# Allegro board RK3588S_Template_LP4XD200P232SD10H2_30X30_2133MHz_H1R0_V11_20220218YWQ.brd (continued)
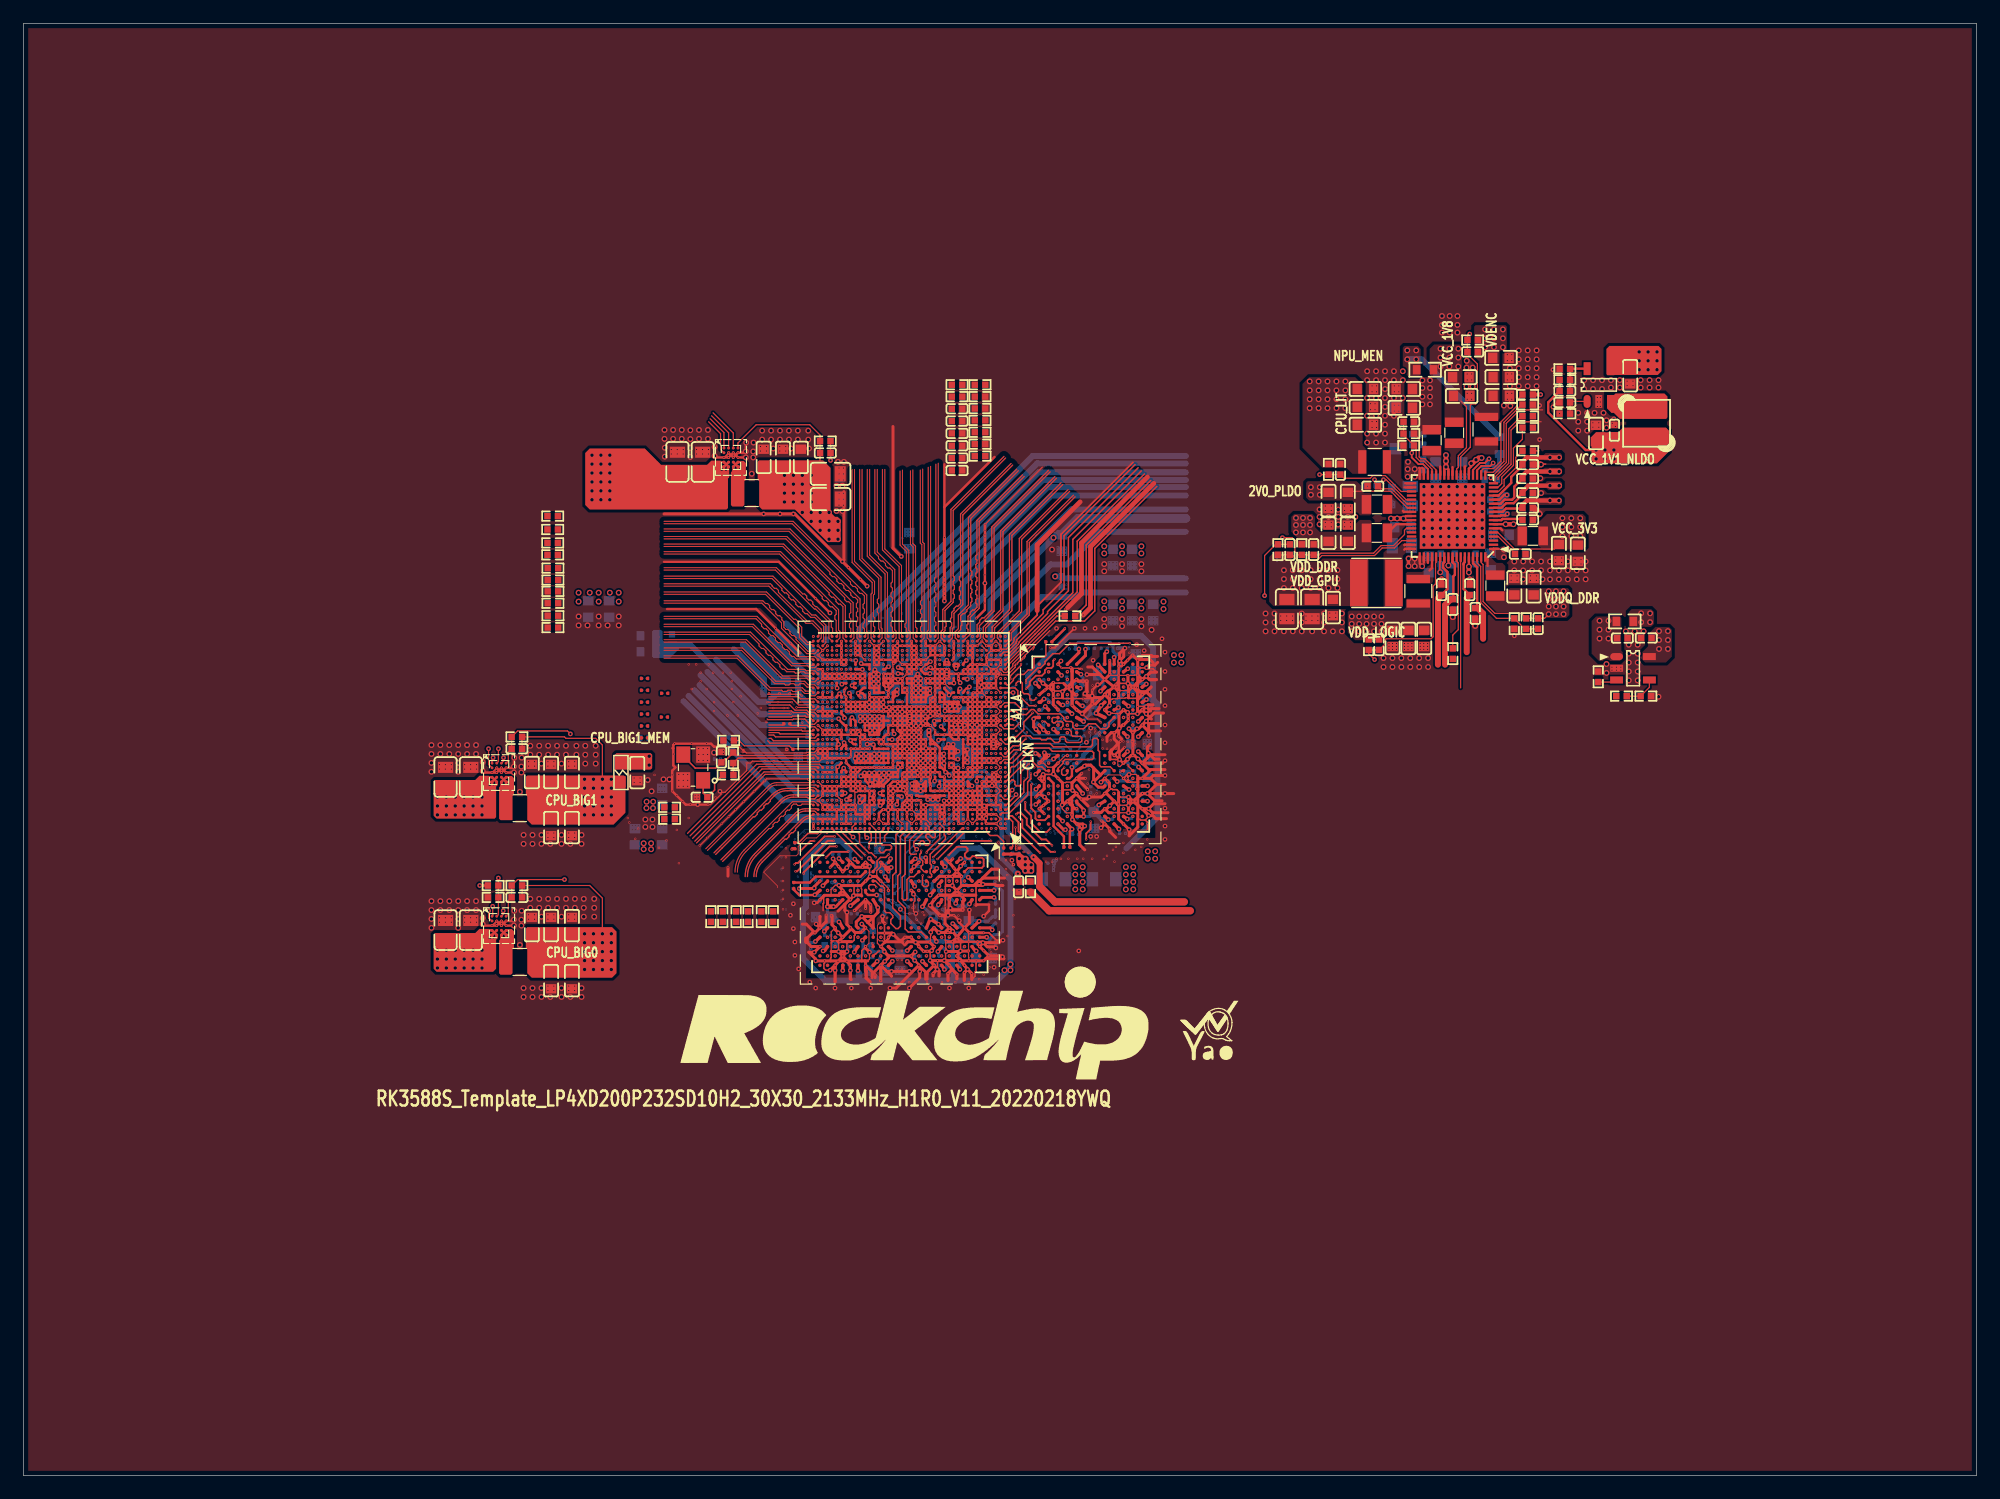
[diagram p0: board, top side]
## Routing (per net, layer and track width the routed paths; a pad name or vN(x,y) marks a point on that pad's centre or on a via; arc(x,y) is an arc through that point) (continued)
  TOP w0.203: v7(92.39,68.02) 91.95,67.58 v1(91.78,67.58) v2(91.32,67.12) v1(91.32,66.61) ; v7(78.69,80.14) 78.69,82.75 ; 78.69,82.75 78.69,86.41 ; 78.69,82.75 82.97,87.04 ; v7(75.09,61.7) v7(75.09,62.1) ; v7(75.09,61.7) v7(75.09,61.3) ; v7(75.09,61.7) v7(74.69,61.7) ; v7(75.09,61.7) v7(75.49,61.7) v7(75.89,61.7) ; v7(75.09,62.1) 75.47,62.1 v1(75.49,62.08) ; v7(75.09,62.1) v7(75.09,62.5) ; v7(75.09,62.1) v7(74.69,62.1) ; v2(76.29,60.9) 76.29,60.46 v1(76.3,60.45) ; v2(76.29,60.9) 76.62,60.9 v1(76.66,60.86) ; v2(76.29,60.9) v2(76.29,61.3) ; v2(76.29,60.9) v7(75.89,60.9) ; v5(61.75,88.27) 61.72,88.24 v5(61.72,87.5) 61.61,87.4 v2(61.05,87.4) U2302.B4 v2(60.65,87) U2302.B2 v2(60.25,87.4) ; v7(74.69,64.5) v2(74.69,64.9) ; v7(74.69,64.5) v7(75.09,64.5) ; v7(74.69,64.5) v7(74.29,64.5) ; v7(74.69,64.5) v7(74.69,64.1) ; v2(74.69,64.9) v2(74.29,64.9) ; v2(74.69,64.9) 74.69,65.26 v1(74.68,65.28) ; v2(74.69,64.9) v7(75.09,64.9) ; v1(74.27,65.3) 74.27,64.92 v2(74.29,64.9) ; v1(74.27,65.3) 74.27,65.3 v7(73.89,65.3) ; v1(74.27,65.3) 74.29,65.33 v2(74.29,65.7) ; v1(74.27,65.3) 74.65,65.3 v1(74.68,65.28) ; v2(75.89,68.9) v2(76.29,68.9) v2(76.29,69.3) ; v2(75.89,68.9) v2(75.89,69.3) ; v2(75.89,68.9) v2(75.89,68.5) v2(75.49,68.5) v7(75.49,69.3) ; v2(75.89,68.9) v2(75.49,68.9) ; v2(81.49,65.3) v2(81.49,64.9) ; v2(81.49,65.3) v2(81.49,65.7) ; v2(81.49,65.3) v2(81.89,65.3) ; v2(81.49,65.3) v2(81.09,65.3) ; v2(81.49,64.9) v7(81.89,64.9) ; v2(81.49,64.9) v2(80.69,64.9) ; v2(81.49,64.9) 81.49,64.18 ; v7(81.09,66.1) 80.74,66.1 v7(80.69,66.15) ; v7(81.09,66.1) v2(81.09,65.7) ; v7(81.09,66.1) v2(81.09,66.5) ; v7(81.09,66.1) U1000.AH7 ; v1(75.08,65.25) 75.08,64.91 v7(75.09,64.9) ; v1(75.08,65.25) 75.09,65.26 v2(75.09,65.7) ; v1(75.08,65.25) 75.49,65.25 ; v1(75.08,65.25) 75.06,65.28 v1(74.68,65.28) ; v7(68.69,58.9) v7(68.29,58.9) v7(68.29,58.5) ; v7(68.69,58.9) v7(68.69,58.5) ; v7(68.69,58.9) v7(69.09,58.9) ; v1(72.38,57.88) 72.55,57.7 v2(72.69,57.7) ; v1(72.38,57.88) 72.29,57.96 v2(72.29,58.5) ; v1(72.38,57.88) 72.6,58.1 v2(72.69,58.1) ; v1(72.38,57.88) 72.29,57.79 72.29,57.3 ; v2(74.69,61.3) v7(74.69,61.7) ; v2(74.69,61.3) v7(75.09,61.3) ; v2(74.69,61.3) v2(74.29,61.3) ; v7(74.69,61.7) v2(74.29,61.7) ; v7(74.69,61.7) v7(74.69,62.1) ; v7(74.69,56.9) 74.69,56.84 ; 74.69,56.84 74.75,56.9 ; 74.69,56.84 v7(74.69,56.52) U1000.C24 ; v2(81.09,69.3) v2(81.09,69.7) v2(81.09,70.1) ; v2(81.09,69.3) v2(81.09,68.5) ; v2(81.09,69.3) v7(81.49,69.3) ; v2(81.09,69.3) 80.9,69.3 80.69,69.1 v7(80.69,68.9) ; v1(76.3,60.45) 76.3,60.15 76.35,60.1 ; v1(76.3,60.45) 76.64,60.45 v7(76.69,60.5) ; v1(76.3,60.45) v1(75.9,60.45) ; U1000.AE22 75.71,64.9 v1(75.72,64.9) 75.72,64.9 v2(76.29,64.9) ; U1000.AE22 v7(75.09,64.9) ; U1000.AE22 U1000.AD22 ; U1000.AE22 75.49,65.25 75.49,65.25 ; v7(73.49,65.3) v2(73.49,66.5) ; v7(73.49,65.3) v7(73.89,65.3) ; v7(73.49,65.3) v7(73.09,65.3) ; v2(73.49,66.5) v2(73.89,66.5) v2(73.89,66.9) 73.89,67.13 ; v2(73.49,66.5) v2(73.09,66.5) ; v2(78.69,57.3) 78.69,57.63 v1(78.66,57.66) v1(79.1,57.66) ; v2(78.69,57.3) v2(79.09,57.3) ; v2(78.69,57.3) v2(78.29,57.3) ; v2(78.69,57.3) 78.69,56.64 ; v2(74.29,56.9) 74.22,56.97 v7(74.22,57.33) ; v2(74.29,56.9) 73.92,56.9 v1(73.89,56.87) 73.86,56.9 v2(73.49,56.9) 73.41,56.9 73.09,56.58 v7(73.09,56.1) ; v2(74.29,56.9) 74.75,56.9 ; v2(75.49,58.5) v7(75.49,58.9) ; v2(75.49,58.5) U1000.J24 ; v2(75.49,58.5) v2(75.49,58.1) ; v7(75.49,58.9) v7(75.09,58.9) ; v7(75.49,58.9) v2(75.49,59.3) ; v2(81.49,61.3) 81.13,61.3 81.09,61.26 ; v2(81.49,61.3) v2(81.49,61.7) ; v2(81.49,61.3) 81.5,61.29 v7(83.5,61.29) ; v2(81.49,61.3) v2(81.49,60.5) ; v7(68.05,49.2) 68.05,49.18 67.82,48.94 v1(67.56,48.94) ; v7(79.49,56.9) 79.5,56.9 v7(79.88,56.9) ; v2(74.29,64.9) v2(73.89,64.9) v7(73.89,65.3) ; v2(74.29,64.9) v7(74.29,64.5) ; v7(82.76,59.69) 82.3,59.69 v7(82.29,59.7) v2(82.29,59.3) ; v7(82.76,59.69) v3(82.76,60.06) v2(83.09,60.06) 83.09,59.72 83.07,59.7 ; v7(82.76,59.69) v7(82.76,59.31) 82.76,58.95 v1(82.76,58.95) ; v7(82.76,59.69) v7(83.06,59.69) ; v7(73.89,58.09) 73.9,58.1 v2(74.29,58.1) ; v7(73.89,58.09) U1000.G26 ; v7(73.89,58.09) v7(73.89,58.5) ; v2(77.49,68.1) v7(77.09,68.1) v7(77.09,67.7) v2(77.49,67.7) ; v2(77.49,68.1) v2(78.69,68.1) ; v2(77.49,68.1) v2(77.49,67.7) ; v7(81.89,62.9) v2(82.29,62.9) ; v7(81.89,62.9) v2(81.89,63.3) ; v7(81.89,62.9) 81.02,62.9 v1(80.91,63.01) ; v7(81.89,62.9) v7(81.89,62.1) ; v2(82.29,62.9) v7(82.69,62.9) ; v2(82.29,62.9) v7(82.29,62.5) ; v2(78.29,64.9) 78.29,65.14 v1(78.21,65.22) ; v2(71.49,62.1) v2(72.29,62.1) ; v2(71.49,62.1) v7(71.49,62.48) v2(71.49,62.9) ; v2(71.49,62.1) v2(71.09,62.1) v7(70.72,62.1) U1000.V34 ; v2(74.29,68.5) 73.86,68.5 ; v2(74.29,68.5) v2(74.29,68.9) ; v2(74.29,68.5) v2(74.29,68.1) ; 73.86,68.5 v2(73.49,68.5) 73.49,68.1 ; 73.86,68.5 73.89,68.47 73.89,67.13 ; 76.43,59.72 76.68,59.72 v7(76.69,59.7) ; 76.43,59.72 v7(76.41,59.7) v7(75.89,59.7) ; 76.43,59.72 76.4,59.74 v1(76.4,60.05) ; v7(70.29,55.7) v7(70.29,56.1) 70.29,56.1 v2(70.29,56.48) 70.29,56.48 v7(70.29,56.9) ; v7(70.29,55.7) v7(70.69,55.7) ; v7(70.29,55.7) v7(69.89,55.7) ; 83.09,67.74 83.04,67.69 v2(82.69,67.69) ; 83.09,67.74 v7(83.09,67.3) U1000.AL4 ; 83.09,67.74 v2(83.09,68.1) v7(83.09,68.5) ; v2(69.92,58.9) v2(69.47,58.9) 69.49,58.87 v2(69.49,58.47) ; v2(69.92,58.9) v2(70.29,58.9) ; v2(69.92,58.9) 69.89,58.93 v2(69.89,59.3) ; v2(69.92,58.9) U1000.K36 ; v7(73.89,58.9) 74.29,59.3 v7(74.69,59.3) ; v7(73.89,58.9) v2(74.29,58.9) ; v7(73.89,58.9) v7(73.89,58.5) ; v2(77.49,65.7) v2(77.49,66.1) ; v2(77.49,65.7) v2(77.89,65.7) ; v2(77.49,65.7) v2(77.09,65.7) ; v2(77.49,65.7) v7(77.49,65.3) ; v2(77.49,66.1) v2(77.89,66.1) ; v2(77.49,66.1) v2(77.49,66.42) 77.62,66.42 77.7,66.5 v2(77.89,66.5) ; v7(81.49,62.1) v2(81.09,62.1) ; v7(81.49,62.1) v7(81.89,62.1) ; v7(81.49,62.1) v2(81.49,61.7) ; v7(81.49,62.1) v7(81.49,62.5) ; v7(72.69,70.5) v7(72.69,70.1) ; v7(72.69,70.5) v7(73.09,70.5) ; v7(72.69,70.5) v7(72.69,70.9) v7(73.09,70.9) v7(73.09,70.5) ; v7(72.69,70.1) 72.98,70.1 v1(73.03,70.15) 73.09,70.21 ; v7(72.69,70.1) v7(72.69,69.7) ; 74.35,58.5 U1000.J24 ; 74.35,58.5 v1(74.32,58.47) 74.29,58.44 ; 74.35,58.5 v7(73.89,58.5) ; U1000.J24 74.69,58.96 ; v7(68.29,61.7) v7(68.29,61.3) v7(68.69,61.3) ; v7(68.29,61.7) v7(67.89,61.7) v7(67.89,62.1) v7(68.29,62.1) ; v7(68.29,61.7) v7(68.29,62.1) ; v7(68.29,61.7) v7(68.69,61.7) ; 55.52,62.15 55.45,62.15 ; 55.52,62.15 55.52,62.43 v2(55.63,62.53) v2(57.1,62.53) v2(58.37,62.53) 58.75,62.53 59,62.28 v2(59.45,62.28) ; 55.52,62.15 v2(55.52,61.65) 55.52,60.68 55.7,60.5 55.43,60.23 v2(55.43,59.87) v2(55.43,58.49) v2(55.83,58.09) v2(56.34,57.58) 56.59,57.33 v2(56.97,57.33) v1(57.61,57.33) v2(58.5,57.33) ; v7(68.69,63.3) v7(68.29,63.3) v7(68.29,63.7) v7(68.69,63.7) ; v7(68.69,63.3) v7(68.69,63.7) ; v7(68.69,63.3) v7(69.09,63.3) ; v2(74.29,57.7) 73.92,57.7 v2(73.89,57.67) v7(73.89,57.33) ; v2(74.29,57.7) v2(74.29,58.1) ; v2(74.29,57.7) 74.22,57.63 v7(74.22,57.33) ; v2(80.69,63.7) v2(80.29,63.7) ; v2(80.69,63.7) v2(80.69,64.5) ; v2(80.69,63.7) v2(81.09,63.7) ; v2(80.69,63.7) v2(80.69,63.3) ; v2(80.29,63.7) v2(80.29,63.3) ; v2(80.29,63.7) 80.29,63.99 v1(80.42,64.11) ; v2(80.29,63.7) v2(79.89,63.7) ; v7(75.09,61.3) v2(75.49,61.3) ; v2(75.49,61.3) 75.49,60.88 ; v2(75.49,61.3) v2(75.89,61.3) ; v2(75.49,61.3) 75.49,61.3 v1(75.49,62.08) ; v7(77.49,61.7) v7(77.09,61.7) ; v7(77.49,61.7) v7(77.49,62.1) ; v7(77.49,61.7) v7(77.89,61.7) ; v7(77.49,61.7) 77.49,61.38 v2(77.47,61.35) 77.49,61.33 ; v7(77.09,61.7) U1000.U20 ; v7(77.09,61.7) v2(77.09,61.3) ; v7(77.09,61.7) 77.11,61.72 v1(77.11,62.13) ; v7(79.88,56.9) 79.89,56.9 v2(80.29,56.9) ; v7(79.88,56.9) v7(79.88,57.28) ; v7(79.88,56.9) 79.89,56.89 v2(79.89,56.5) ; v1(59.51,58.47) 59.6,58.38 ; v2(77.89,57.3) v2(76.69,57.3) ; v2(77.89,57.3) v7(77.89,56.9) 78.43,56.9 v1(78.51,56.82) ; v2(77.89,57.3) v2(78.29,57.3) ; v2(76.69,57.3) v7(76.69,56.9) ; v2(76.69,57.3) v2(76.69,57.67) 76.67,57.7 v2(76.29,57.7) v2(75.89,57.7) ; U1000.AE19 77.04,64.9 v1(77.06,64.87) ; U1000.AE19 v7(76.69,64.5) ; U1000.AE19 v2(76.29,64.9) ; U1000.AE19 v7(76.69,65.3) ; v7(68.69,63.7) v7(69.09,63.7) ; v7(81.53,45.61) 81.53,45.37 v2(81.7,45.2) 81.99,45.49 v1(81.99,45.54) 81.91,45.61 v7(81.53,45.61) ; v7(81.53,45.61) v7(80.77,45.61) 80.26,45.61 ; v2(93.19,61.52) 93.58,61.91 93.58,62.59 v2(93.73,62.74) ; v2(93.19,61.52) 93.31,61.52 93.58,61.26 ; v2(93.19,61.52) 92.94,61.77 ; v2(78.29,68.5) v2(79.49,68.5) v2(79.89,68.5) ; v2(78.29,68.5) v2(78.29,68.1) v7(78.29,67.7) ; v2(78.29,68.5) v2(77.89,68.5) ; v2(78.29,68.5) v2(78.29,68.9) ; v2(82.29,70.1) 82.29,69.77 ; 82.29,69.77 U1000.AT5 v2(81.89,69.3) v7(81.49,69.3) ; 82.29,69.77 v7(82.36,69.7) v2(82.69,69.7) ; v7(76.69,59.7) 76.71,59.68 v2(76.71,59.39) ; v7(76.69,59.7) v7(77.09,59.7) ; v7(76.69,59.7) 76.71,59.72 v2(76.71,60.12) ; v2(80.29,58.5) v2(80.29,58.9) ; v2(80.29,58.5) v1(79.89,58.5) ; v2(80.29,58.5) v2(80.69,58.5) ; v2(80.29,58.5) v2(80.29,57.7) ; v2(80.29,58.9) v2(79.89,58.9) ; v2(80.29,58.9) v2(80.29,59.3) ; v2(73.09,66.5) v2(72.69,66.5) ; v2(73.09,66.5) v2(73.09,66.1) ; v2(72.69,66.5) v2(72.69,66.13) U1000.AH29 ; v2(72.69,66.5) v2(72.29,66.5) ; v2(80.69,68.5) v2(81.09,68.5) ; v2(80.69,68.5) v7(80.69,68.9) ; v2(80.69,68.5) v2(80.29,68.5) ; v2(81.09,68.5) v2(81.49,68.5) ; v2(69.09,56.9) v2(69.49,56.9) ; v2(69.09,56.9) v7(68.69,56.9) ; v2(69.09,56.9) v7(69.09,57.3) v7(68.69,57.3) ; v2(69.49,56.9) 69.49,56.9 v7(69.49,56.1) ; v2(69.49,56.9) v7(69.89,56.9) 69.93,56.9 ; 81.09,61.26 v2(81.09,61.7) ; 81.09,61.26 v2(81.09,60.9) ; v7(72.29,65.3) v7(71.89,65.3) ; v7(72.29,65.3) v7(72.69,65.3) ; v7(72.29,65.3) v2(72.29,66.5) ; v7(71.89,65.3) v2(71.89,65.7) ; v7(71.89,65.3) v2(71.49,65.3) ; U1000.AD22 75.71,64.5 v1(75.74,64.47) ; U1000.AD22 v7(75.49,64.1) ; U1000.AD22 v7(75.09,64.5) ; v7(82.69,62.9) 83.09,62.9 v7(83.09,62.91) ; v7(82.69,62.9) v7(82.69,62.09) 82.7,62.1 v7(83.09,62.1) U1000.Y3 v7(83.09,62.91) ; v7(82.69,62.9) v2(82.69,63.3) v2(83.09,63.3) v7(83.09,62.91) ; v7(78.69,70.9) v7(78.69,70.5) v2(78.69,70.1) v7(78.29,70.1) v2(77.89,70.1) ; v7(74.29,64.1) v7(74.29,64.5) ; v7(74.29,64.1) v7(73.89,64.1) v2(73.89,63.3) 73.7,63.3 73.49,63.1 v2(73.49,62.9) ; v7(74.29,64.1) v7(74.69,64.1) ; U3801.P10 73.25,45.23 v3(73.56,45.54) ; v7(71.89,56.5) v7(72.29,56.5) ; v7(71.89,56.5) 71.89,56.06 ; v7(71.89,56.5) v2(71.89,56.9) ; v7(71.89,56.5) 71.13,56.5 71.09,56.54 v2(71.09,56.9) ; v7(72.29,56.5) 72.29,57.3 ; v7(72.29,56.5) v7(72.29,56.1) v7(71.93,56.1) 71.89,56.06 ; v7(81.09,62.5) 81.09,63.2 ; v7(81.09,62.5) v7(81.49,62.5) ; v7(81.09,62.5) v7(80.69,62.5) 80.69,63.22 ; v7(81.09,62.5) v2(81.09,61.7) ; 81.09,63.2 81.09,63.23 ; 81.09,63.2 v1(80.91,63.01) ; v2(81.49,63.3) v2(81.09,63.3) ; v2(81.49,63.3) v2(81.49,63.7) ; v2(81.49,63.3) 81.49,63.15 ; v2(81.49,63.3) v2(81.89,63.3) ; v2(81.09,63.3) v2(81.09,63.7) ; v2(81.09,63.3) 81.09,63.23 ; v2(81.09,63.3) v2(80.69,63.3) ; v7(74.29,70.5) 74.66,70.5 v7(74.69,70.54) ; v7(74.29,70.5) v7(74.29,70.1) ; v7(74.29,70.5) v7(74.29,70.9) v1(74.66,70.9) ; v2(71.09,58.9) 71.09,58.59 v1(71.15,58.53) ; v2(71.09,58.9) v2(70.69,58.9) ; v2(71.09,58.9) v2(71.49,58.9) ; v2(71.09,58.9) v2(71.09,59.3) ; 71.45,58.5 71.19,58.5 v1(71.15,58.53) ; 71.45,58.5 71.49,58.54 v2(71.49,58.9) ; 71.45,58.5 71.91,58.5 71.91,58.88 v2(71.89,58.9) v2(71.49,58.9) ; v1(79.89,58.5) v2(79.49,58.5) 79.17,58.5 v1(79.13,58.54) ; v1(79.89,58.5) v2(79.89,58.1) ; v1(79.89,58.5) v2(79.89,58.9) ; v1(74.68,65.28) 74.69,65.29 v2(74.69,65.7) ; v2(71.09,63.7) v2(71.49,63.7) v2(71.49,62.9) ; v2(71.09,63.7) v7(70.69,63.7) 70.69,63.3 v7(70.69,63.3) ; v2(71.09,63.7) 71.09,63.32 71.07,63.3 ; v7(70.69,66.1) 70.69,66.1 v2(70.69,65.7) ; v7(70.69,66.1) v7(70.29,66.1) ; v7(70.69,66.1) 71.07,66.1 ; v1(72.26,65.66) 72.3,65.7 v7(72.69,65.7) ; v1(72.26,65.66) 72.22,65.7 v2(71.89,65.7) ; v1(72.26,65.66) v1(72.26,66.07) ; v2(79.88,57.7) v7(79.49,57.7) 79.45,57.66 v1(79.1,57.66) ; v2(79.88,57.7) v7(79.88,57.28) ; v2(79.88,57.7) 79.88,58.09 v2(79.89,58.1) ; v2(79.88,57.7) v2(80.29,57.7) ; v7(76.69,65.3) v1(77.09,65.3) ; v7(76.69,65.3) v2(76.69,65.7) ; v7(76.69,65.3) v7(76.29,65.3) ; v1(77.09,65.3) v7(77.49,65.3) ; v1(77.09,65.3) v2(77.09,65.7) ; v7(73.02,46.36) v7(73.57,46.36) ; v1(81.46,64.15) 81.49,64.18 ; v1(81.46,64.15) 81.52,64.1 v7(81.89,64.1) ; v1(81.46,64.15) v1(81.06,64.15) ; 81.49,64.18 v2(81.49,63.7) ; v2(75.89,71.3) v7(75.89,70.9) ; v7(75.89,70.9) v7(75.89,70.5) ; v7(75.89,70.9) v7(76.29,70.9) v7(76.29,70.5) ; v7(75.89,70.9) v7(75.49,70.9) v7(75.09,70.9) v1(74.66,70.9) ; v2(71.09,60.1) v2(70.69,60.1) ; v2(71.09,60.1) v7(71.09,60.5) ; v2(71.09,60.1) v2(71.09,59.7) ; v2(71.09,60.1) 71.29,60.1 71.49,60.3 v2(71.49,60.5) ; v2(70.69,60.1) v2(70.69,59.7) ; v2(70.69,60.1) U1000.P34 ; v2(81.49,66.9) v2(81.89,66.9) v2(81.89,68.1) ; v2(81.49,66.9) U1000.AJ7 ; v2(81.49,66.9) 81.49,67.36 ; v2(81.49,66.9) v7(81.15,66.9) 81.09,66.84 v2(81.09,66.5) ; v7(83.09,57.3) v7(83.09,57.7) v7(83.09,58.1) v7(82.69,58.1) v2(82.29,58.1) v2(81.89,58.1) v2(79.89,58.1) ; v7(83.09,57.3) v7(83.49,57.3) v7(83.49,56.9) ; v7(83.09,57.3) v7(82.69,57.3) 82.37,57.3 ; v2(70.29,59.3) v2(70.69,59.3) ; v2(70.29,59.3) v2(69.89,59.3) ; v2(70.29,59.3) v2(70.29,58.9) ; v2(70.29,59.3) v2(70.29,59.7) ; v2(70.69,59.3) v2(70.69,59.7) ; v2(70.69,59.3) v2(70.69,58.9) ; v2(70.69,59.3) v2(71.09,59.3) ; v7(83.49,59.7) 83.07,59.7 ; 83.07,59.7 v7(83.06,59.69) ; v7(81.49,62.5) 81.49,63.15 ; v7(81.49,62.5) v7(82.29,62.5) ; v7(81.89,56.1) v7(81.49,56.1) v2(81.49,56.5) ; v7(81.89,56.1) v2(81.89,56.5) v2(81.89,56.9) v2(81.89,57.7) ; v7(81.89,56.1) 82.16,56.1 v1(82.23,56.16) ; v2(81.86,66.1) U1000.AH7 ; v2(81.86,66.1) v7(82.29,66.1) ; v2(81.86,66.1) 81.89,66.07 v2(81.89,65.7) ; U1000.AH7 U1000.AJ7 ; U1000.AH7 v2(81.49,65.7) ; v7(77.89,60.9) 77.89,61.3 v2(77.89,61.3) ; v7(77.89,60.9) v7(77.89,60.5) ; v7(77.89,60.9) v1(77.49,60.9) ; v2(74.69,62.5) v7(74.69,62.1) ; v2(74.69,62.5) v7(75.09,62.5) ; v2(74.69,62.5) v2(74.69,62.9) ; v2(74.69,62.5) v2(73.89,62.5) 73.48,62.5 ; v7(74.69,62.1) v7(74.29,62.1) ; v7(82.29,64.1) v7(81.89,64.1) ; v7(82.29,64.1) v7(82.69,64.1) ; v7(82.29,64.1) U1000.AD5 ; v7(81.89,64.1) v2(81.89,64.5) ; v7(81.89,64.1) v2(81.89,63.7) ; v7(82.69,66.1) v7(83.49,66.1) ; v7(82.69,66.1) v7(82.29,66.1) ; v7(82.69,66.1) v7(82.69,65.7) ; v7(82.69,66.1) 82.69,66.49 v2(82.69,66.5) v2(82.29,66.5) ; 73.49,68.1 v2(74.29,68.1) ; 73.49,68.1 U1000.AM27 ; v2(74.29,68.1) 74.57,68.1 ; v2(74.29,68.1) v2(74.29,67.7) ; v7(76.69,64.5) 77.03,64.5 v1(77.06,64.47) ; v7(76.69,64.5) 76.69,64.07 ; v7(76.69,64.5) v7(76.29,64.5) ; v7(68.29,58.5) v7(69.09,58.5) ; v7(68.29,58.5) v2(68.29,58.1) ; v7(77.09,56.5) v7(77.09,56.1) v7(76.69,56.1) ; v7(77.09,56.5) v7(76.69,56.5) ; v7(77.09,56.5) v7(77.09,56.9) ; v1(79.13,58.54) 79.09,58.58 v2(79.09,58.9) ; v1(79.13,58.54) 79.1,58.51 ; v1(77.11,62.13) 77.09,62.15 v2(77.09,62.5) ; v1(77.11,62.13) 77.14,62.1 v7(77.49,62.1) ; v1(77.11,62.13) 77.09,62.1 U1000.V19 ; v7(81.49,69.3) 81.49,68.88 ; 81.49,68.88 v2(81.49,68.5) ; 81.49,68.88 v7(81.48,68.9) v7(81.15,68.9) v7(80.69,68.9) ; v2(80.29,68.5) 80.29,68.82 v7(80.37,68.9) v7(80.69,68.9) ; v2(80.29,68.5) v2(79.89,68.5) ; v7(82.68,64.52) v7(82.31,64.52) U1000.AD5 ; v7(82.68,64.52) v2(83.08,64.52) U1000.AD3 ; v7(82.68,64.52) 82.69,64.5 v7(82.69,64.1) ; v7(82.68,64.52) 82.68,64.87 v7(82.69,64.89) 82.73,64.92 v2(83.08,64.92) 83.09,64.91 U1000.AD3 ; v2(73.09,66.1) v7(73.09,65.7) ; v2(73.09,66.1) U1000.AH29 ; v2(73.09,66.1) 73.42,66.1 v1(73.46,66.07) 73.51,66.01 v1(73.51,65.66) ; v7(73.09,65.7) 73.47,65.7 v1(73.51,65.66) ; v7(73.09,65.7) v7(73.09,65.3) ; v7(73.09,65.7) v7(72.69,65.7) ; 71.07,66.1 v7(71.09,66.1) 71.45,66.1 ; 71.07,66.1 71.09,66.08 v2(71.09,65.7) ; v2(77.09,61.3) 77.09,60.91 v1(77.06,60.88) ; v2(77.09,61.3) 77.47,61.3 77.49,61.33 ; v2(77.09,61.3) 76.69,61.3 v1(76.66,61.26) ; v1(80.04,67.74) 80.04,67.82 79.89,67.96 v2(79.89,68.1) v2(79.89,68.5) ; v1(75.9,62.08) v1(76.3,62.08) ; v1(75.9,62.08) v1(75.49,62.08) ; v1(75.9,62.08) 75.89,62.07 v7(75.89,61.7) ; v1(75.9,62.08) 75.89,62.08 v1(75.89,62.5) ; v1(76.3,62.08) 76.29,62.09 v1(76.29,62.5) ; v1(76.3,62.08) 76.3,61.71 U1000.U20 ; v1(76.3,62.08) 76.67,62.08 U1000.V19 ; v2(80.29,64.5) 80.29,64.24 80.37,64.16 ; v2(80.29,64.5) v2(80.29,64.9) ; v2(80.29,64.5) v2(79.89,64.5) ; v2(80.29,64.5) v2(80.69,64.5) ; 74.75,56.9 v2(75.09,56.9) ; v2(75.09,56.9) v2(75.09,57.3) ; v2(75.09,56.9) v2(75.89,56.9) v2(75.89,57.3) ; v7(83.49,69.3) v2(83.49,69.7) v2(83.09,69.7) U1000.AU4 ; v2(76.69,62.5) v2(77.09,62.5) ; v2(76.69,62.5) v7(76.69,62.9) ; v2(76.69,62.5) v1(76.29,62.5) ; v2(76.69,62.5) U1000.V19 ; v2(77.09,62.5) v7(77.09,62.9) v7(76.69,62.9) ; C2329.2 131.06,91.69 v1(130.68,91.31) ; v7(73.89,65.3) 73.96,65.37 v1(73.96,65.63) ; v7(72.29,66.9) v2(72.29,66.5) ; v2(77.89,66.1) v2(77.89,65.7) ; v2(77.89,66.1) v2(77.89,66.5) ; v2(83.1,55.7) 82.29,55.7 U1000.B5 82.23,55.77 v1(82.23,56.16) ; v2(81.09,64.5) 81.09,64.19 ; v2(81.09,64.5) v2(81.89,64.5) ; v2(81.09,64.5) v2(81.09,64.9) v2(81.09,65.3) ; v2(81.09,64.5) v2(80.69,64.5) ; 81.09,64.19 v2(81.09,63.7) ; 81.09,64.19 v1(81.06,64.15) ; v7(82.29,62.5) 82.84,62.5 82.86,62.53 v1(82.87,62.53) 82.9,62.5 v2(83.49,62.5) ; v2(81.49,56.5) v2(81.49,56.9) v2(81.49,57.3) ; v2(81.49,56.5) 81.49,56.5 v2(82.69,56.5) ; v7(75.49,64.1) v7(75.49,63.7) ; v7(75.49,64.1) v7(75.09,64.1) ; v7(75.49,64.1) 75.8,64.1 v1(75.85,64.05) ; v2(80.69,64.5) v2(80.69,64.9) ; v2(80.69,64.9) v2(80.29,64.9) ; v2(80.69,64.9) v2(80.69,65.3) ; v2(70.29,57.3) v2(69.89,57.3) ; v2(70.29,57.3) v2(70.69,57.3) v2(71.09,57.3) v2(71.09,56.9) ; v2(70.29,57.3) v7(70.29,56.9) ; v2(69.89,57.3) 69.89,56.93 69.93,56.9 ; v2(69.89,57.3) v2(69.89,57.7) ; v2(81.49,60.5) v7(81.89,60.5) v2(81.89,61.7) ; v2(81.49,60.5) v2(81.09,60.5) ; v2(81.49,60.5) v2(81.49,60.1) U1000.N9 ; v2(75.89,57.7) v7(75.89,58.1) v2(75.49,58.1) ; v2(75.89,57.7) v2(75.49,57.7) ; v2(75.89,57.7) v2(75.89,57.3) ; v1(77.06,64.87) v1(77.06,64.47) ; v1(77.06,64.87) 77.09,64.9 v1(77.49,64.9) ; v1(77.06,64.47) 77.43,64.1 ; v1(77.06,64.47) 77.49,64.89 v1(77.49,64.9) ; v1(77.06,64.47) 77.06,64.13 v2(77.09,64.1) ; U1000.V19 76.69,61.71 v1(76.66,61.67) v1(76.66,61.26) ; v2(80.29,59.3) v2(79.89,59.3) ; v2(80.29,59.3) v2(80.29,59.7) ; v2(79.89,59.3) v2(79.49,59.3) v2(79.09,59.3) ; v2(79.89,59.3) v2(79.89,58.9) ; v2(79.89,59.3) v2(79.89,60.1) ; v2(71.09,56.9) v2(70.69,56.9) v7(70.29,56.9) ; v2(80.29,55.7) v7(79.89,55.7) v2(79.89,56.1) ; v2(75.89,69.3) v7(75.49,69.3) ; v2(75.89,69.3) v7(75.89,69.7) ; v2(75.89,69.3) v2(76.29,69.3) ; v7(75.49,69.3) v2(75.09,69.3) ; v1(78.51,56.82) 78.69,56.64 ; v1(78.51,56.82) 78.29,56.6 ; 78.69,56.64 v2(78.69,56.5) ; v2(73.09,69.7) 73.09,70.21 ; v2(73.09,69.7) v2(74.29,69.7) ; v2(73.09,69.7) v7(72.69,69.7) ; v2(73.09,69.7) 73.1,69.69 v2(73.1,69.27) 72.73,69.27 v2(72.69,69.3) v7(72.69,69.7) ; 73.09,70.21 v7(73.09,70.5) ; v2(77.89,67.7) v2(77.89,68.5) ; v2(77.89,67.7) v2(77.49,67.7) ; v2(77.89,67.7) v7(78.29,67.7) ; v2(77.89,67.7) v7(77.89,67.3) ; v2(77.89,68.5) v2(77.89,68.9) ; v2(82.3,56.9) 80.29,56.9 v2(80.29,56.9) ; v2(82.3,56.9) v2(82.3,56.5) 82.3,56.23 v1(82.23,56.16) ; v2(82.3,56.9) 82.3,57.22 82.37,57.3 ; U1000.U20 76.29,61.67 ; v2(76.29,64.9) v7(76.29,65.3) ; v2(76.29,64.9) v7(76.29,64.5) ; v7(76.29,65.3) v2(75.89,65.3) ; v7(76.29,65.3) v2(76.29,65.7) ; 75.49,60.88 75.51,60.9 v7(75.89,60.9) ; 75.49,60.88 75.49,60.5 ; 79.49,64.27 v1(79.6,64.16) ; 79.49,64.27 v2(79.49,64.5) ; 79.49,64.27 v2(79.49,63.7) ; v1(79.6,64.16) v1(80.01,64.16) ; v1(79.6,64.16) 79.5,64.06 79.09,64.06 ; v2(81.89,64.5) U1000.AD5 ; v2(81.89,64.5) v7(81.89,64.9) ; v2(76.71,60.12) 76.69,60.14 v7(76.69,60.5) ; v2(76.71,60.12) 76.63,60.05 v1(76.4,60.05) ; v2(76.71,60.12) 76.73,60.1 v2(77.09,60.1) ; v2(79.89,64.5) 79.89,64.28 v1(80.01,64.16) ; v2(79.89,64.5) v2(79.89,64.9) ; v2(79.89,64.5) v2(79.49,64.5) ; v2(81.49,68.1) v2(81.89,68.1) ; v2(81.49,68.1) v2(81.49,68.5) ; v2(81.49,68.1) 81.49,67.99 ; v2(81.89,68.1) v2(81.89,68.5) ; v7(77.49,70.9) v2(77.09,70.9) v2(77.09,71.3) ; v7(77.49,70.9) v7(77.49,70.5) ; v7(77.49,70.9) v7(77.89,70.9) v7(77.89,70.5) ; v7(76.69,60.5) 76.66,60.53 v1(76.66,60.86) ; v7(76.69,60.5) 